# KiCad board untitled.kicad_pcb (continued)
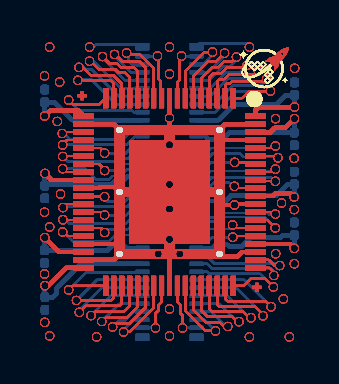
[diagram p0: board, top side]
## Routing (per net, layer and track width the routed paths; a pad name or vN(x,y) marks a point on that pad's centre or on a via; arc(x,y) is an arc through that point) (continued)
/PIN 11: length 225.4
  Top w0.1: 0.91,7.97 1.12,8.18 ; 0.91,7.97 v1(0.91,7.93) ; 0.91,7.97 1.12,8.18 ; 0.91,7.97 v1(0.91,7.93) ; 0.91,7.97 v1(0.91,7.93) ; 0.91,7.97 1.12,8.18 ; 0.91,7.97 v1(0.91,7.93) ; 0.91,7.97 v1(0.91,7.93) ; 0.91,7.97 1.12,8.18 ; 0.91,7.97 1.12,8.18 ; 0.91,7.97 v1(0.91,7.93) ; 0.91,7.97 1.12,8.18 ; 0.91,7.97 1.12,8.18 ; 0.91,7.97 1.12,8.18 ; 0.91,7.97 v1(0.91,7.93) ; 0.91,7.97 1.12,8.18 ; 0.91,7.97 v1(0.91,7.93) ; 0.91,7.97 1.12,8.18 ; 0.91,7.97 1.12,8.18 ; 0.91,7.97 v1(0.91,7.93) ; 0.91,7.97 v1(0.91,7.93) ; 0.91,7.97 v1(0.91,7.93) ; 0.91,7.97 v1(0.91,7.93) ; 0.91,7.97 1.12,8.18 ; 0.91,7.97 1.12,8.18 ; 0.91,7.97 1.12,8.18 ; 0.91,7.97 1.12,8.18 ; 0.91,7.97 1.12,8.18 ; 0.91,7.97 v1(0.91,7.93) ; 0.91,7.97 1.12,8.18 ; 0.91,7.97 1.12,8.18 ; 0.91,7.97 1.12,8.18 ; 0.91,7.97 v1(0.91,7.93) ; 0.91,7.97 v1(0.91,7.93) ; 0.91,7.97 1.12,8.18 ; 0.91,7.97 v1(0.91,7.93) ; 0.91,7.97 v1(0.91,7.93) ; 0.91,7.97 v1(0.91,7.93) ; 0.91,7.97 v1(0.91,7.93) ; 0.91,7.97 v1(0.91,7.93) ; 0.91,7.97 1.12,8.18 ; 0.91,7.97 v1(0.91,7.93) ; 0.91,7.97 1.12,8.18 ; 0.91,7.97 1.12,8.18 ; 0.91,7.97 1.12,8.18 ; 0.91,7.97 1.12,8.18 ; 0.91,7.97 v1(0.91,7.93) ; 0.91,7.97 v1(0.91,7.93) ; 0.91,7.97 1.12,8.18 ; 0.91,7.97 1.12,8.18 ; 0.91,7.97 v1(0.91,7.93) ; 0.91,7.97 v1(0.91,7.93) ; 0.91,7.97 1.12,8.18 ; 0.91,7.97 v1(0.91,7.93) ; 0.91,7.97 1.12,8.18 ; 0.91,7.97 1.12,8.18 ; 0.91,7.97 v1(0.91,7.93) ; 0.91,7.97 1.12,8.18 ; 0.91,7.97 1.12,8.18 ; 0.91,7.97 1.12,8.18 ; 0.91,7.97 1.12,8.18 ; 0.91,7.97 v1(0.91,7.93) ; 0.91,7.97 v1(0.91,7.93) ; 0.91,7.97 v1(0.91,7.93) ; 0.91,7.97 1.12,8.18 ; 0.91,7.97 1.12,8.18 ; 0.91,7.97 v1(0.91,7.93) ; 0.91,7.97 v1(0.91,7.93) ; 0.91,7.97 v1(0.91,7.93) ; 0.91,7.97 v1(0.91,7.93) ; 0.91,7.97 1.12,8.18 ; 0.91,7.97 1.12,8.18 ; 0.91,7.97 1.12,8.18 ; 0.91,7.97 v1(0.91,7.93) ; 0.91,7.97 1.12,8.18 ; 0.91,7.97 v1(0.91,7.93) ; 0.91,7.97 v1(0.91,7.93) ; 0.91,7.97 1.12,8.18 ; 0.91,7.97 v1(0.91,7.93) ; 0.91,7.97 v1(0.91,7.93) ; 0.91,7.97 1.12,8.18 ; 0.91,7.97 v1(0.91,7.93) ; 0.91,7.97 v1(0.91,7.93) ; 0.91,7.97 v1(0.91,7.93) ; 1.12,8.18 J158.21 ; 1.12,8.18 J158.21 ; 1.12,8.18 J158.21 ; 1.12,8.18 J158.21 ; 1.12,8.18 J158.21 ; 1.12,8.18 J158.21 ; 1.12,8.18 J158.21 ; 1.12,8.18 J158.21 ; 1.12,8.18 J158.21 ; 1.12,8.18 J158.21 ; 1.12,8.18 J158.21 ; 1.12,8.18 J158.21 ; 1.12,8.18 J158.21 ; 1.12,8.18 J158.21 ; 1.12,8.18 J158.21 ; 1.12,8.18 J158.21 ; 1.12,8.18 J158.21 ; 1.12,8.18 J158.21 ; 1.12,8.18 J158.21 ; 1.12,8.18 J158.21 ; 1.12,8.18 J158.21 ; 1.12,8.18 J158.21 ; 1.12,8.18 J158.21 ; 1.12,8.18 J158.21 ; 1.12,8.18 J158.21 ; 1.12,8.18 J158.21 ; 1.12,8.18 J158.21 ; 1.12,8.18 J158.21 ; 1.12,8.18 J158.21 ; 1.12,8.18 J158.21 ; 1.12,8.18 J158.21 ; 1.12,8.18 J158.21 ; 1.12,8.18 J158.21 ; 1.12,8.18 J158.21 ; 1.12,8.18 J158.21 ; 1.12,8.18 J158.21 ; 1.12,8.18 J158.21 ; 1.12,8.18 J158.21 ; 1.12,8.18 J158.21 ; 1.12,8.18 J158.21 ; 1.12,8.18 J158.21 ; 1.12,8.18 J158.21
  Bottom w0.1: 0.91,7.95 0.92,7.96 ; 0.91,7.95 v1(0.91,7.93) ; 0.91,7.95 0.92,7.96 ; 0.91,7.95 0.92,7.96 ; 0.91,7.95 v1(0.91,7.93) ; 0.91,7.95 v1(0.91,7.93) ; 0.91,7.95 v1(0.91,7.93) ; 0.91,7.95 0.92,7.96 ; 0.91,7.95 0.92,7.96 ; 0.91,7.95 0.92,7.96 ; 0.91,7.95 0.92,7.96 ; 0.91,7.95 v1(0.91,7.93) ; 0.91,7.95 v1(0.91,7.93) ; 0.91,7.95 0.92,7.96 ; 0.91,7.95 v1(0.91,7.93) ; 0.91,7.95 v1(0.91,7.93) ; 0.91,7.95 v1(0.91,7.93) ; 0.91,7.95 0.92,7.96 ; 0.91,7.95 v1(0.91,7.93) ; 0.91,7.95 v1(0.91,7.93) ; 0.91,7.95 0.92,7.96 ; 0.91,7.95 0.92,7.96 ; 0.91,7.95 0.92,7.96 ; 0.91,7.95 v1(0.91,7.93) ; 0.91,7.95 v1(0.91,7.93) ; 0.91,7.95 v1(0.91,7.93) ; 0.91,7.95 0.92,7.96 ; 0.91,7.95 v1(0.91,7.93) ; 0.91,7.95 0.92,7.96 ; 0.91,7.95 v1(0.91,7.93) ; 0.91,7.95 0.92,7.96 ; 0.91,7.95 v1(0.91,7.93) ; 0.91,7.95 0.92,7.96 ; 0.91,7.95 v1(0.91,7.93) ; 0.91,7.95 0.92,7.96 ; 0.91,7.95 0.92,7.96 ; 0.91,7.95 0.92,7.96 ; 0.91,7.95 v1(0.91,7.93) ; 0.91,7.95 v1(0.91,7.93) ; 0.91,7.95 0.92,7.96 ; 0.91,7.95 0.92,7.96 ; 0.91,7.95 0.92,7.96 ; 0.91,7.95 0.92,7.96 ; 0.91,7.95 v1(0.91,7.93) ; 0.91,7.95 v1(0.91,7.93) ; 0.91,7.95 0.92,7.96 ; 0.91,7.95 0.92,7.96 ; 0.91,7.95 v1(0.91,7.93) ; 0.91,7.95 v1(0.91,7.93) ; 0.91,7.95 v1(0.91,7.93) ; 0.91,7.95 v1(0.91,7.93) ; 0.91,7.95 0.92,7.96 ; 0.91,7.95 v1(0.91,7.93) ; 0.91,7.95 v1(0.91,7.93) ; 0.91,7.95 v1(0.91,7.93) ; 0.91,7.95 0.92,7.96 ; 0.91,7.95 0.92,7.96 ; 0.91,7.95 v1(0.91,7.93) ; 0.91,7.95 v1(0.91,7.93) ; 0.91,7.95 v1(0.91,7.93) ; 0.91,7.95 v1(0.91,7.93) ; 0.91,7.95 v1(0.91,7.93) ; 0.91,7.95 v1(0.91,7.93) ; 0.91,7.95 v1(0.91,7.93) ; 0.91,7.95 v1(0.91,7.93) ; 0.91,7.95 0.92,7.96 ; 0.91,7.95 v1(0.91,7.93) ; 0.91,7.95 v1(0.91,7.93) ; 0.91,7.95 0.92,7.96 ; 0.91,7.95 0.92,7.96 ; 0.91,7.95 0.92,7.96 ; 0.91,7.95 0.92,7.96 ; 0.91,7.95 v1(0.91,7.93) ; 0.91,7.95 0.92,7.96 ; 0.91,7.95 0.92,7.96 ; 0.91,7.95 0.92,7.96 ; 0.91,7.95 v1(0.91,7.93) ; 0.91,7.95 0.92,7.96 ; 0.91,7.95 0.92,7.96 ; 0.91,7.95 0.92,7.96 ; 0.91,7.95 v1(0.91,7.93) ; 0.91,7.95 0.92,7.96 ; 0.91,7.95 0.92,7.96 ; 0.91,7.95 0.92,7.96 ; 0.92,7.96 4.14,7.96 ; 0.92,7.96 4.14,7.96 ; 0.92,7.96 4.14,7.96 ; 0.92,7.96 4.14,7.96 ; 0.92,7.96 4.14,7.96 ; 0.92,7.96 4.14,7.96 ; 0.92,7.96 4.14,7.96 ; 0.92,7.96 4.14,7.96 ; 0.92,7.96 4.14,7.96 ; 0.92,7.96 4.14,7.96 ; 0.92,7.96 4.14,7.96 ; 0.92,7.96 4.14,7.96 ; 0.92,7.96 4.14,7.96 ; 0.92,7.96 4.14,7.96 ; 0.92,7.96 4.14,7.96 ; 0.92,7.96 4.14,7.96 ; 0.92,7.96 4.14,7.96 ; 0.92,7.96 4.14,7.96 ; 0.92,7.96 4.14,7.96 ; 0.92,7.96 4.14,7.96 ; 0.92,7.96 4.14,7.96 ; 0.92,7.96 4.14,7.96 ; 0.92,7.96 4.14,7.96 ; 0.92,7.96 4.14,7.96 ; 0.92,7.96 4.14,7.96 ; 0.92,7.96 4.14,7.96 ; 0.92,7.96 4.14,7.96 ; 0.92,7.96 4.14,7.96 ; 0.92,7.96 4.14,7.96 ; 0.92,7.96 4.14,7.96 ; 0.92,7.96 4.14,7.96 ; 0.92,7.96 4.14,7.96 ; 0.92,7.96 4.14,7.96 ; 0.92,7.96 4.14,7.96 ; 0.92,7.96 4.14,7.96 ; 0.92,7.96 4.14,7.96 ; 0.92,7.96 4.14,7.96 ; 0.92,7.96 4.14,7.96 ; 0.92,7.96 4.14,7.96 ; 0.92,7.96 4.14,7.96 ; 0.92,7.96 4.14,7.96 ; 0.92,7.96 4.14,7.96 ; 4.14,7.96 4.56,8.38 ; 4.14,7.96 4.56,8.38 ; 4.14,7.96 4.56,8.38 ; 4.14,7.96 4.56,8.38 ; 4.14,7.96 4.56,8.38 ; 4.14,7.96 4.56,8.38 ; 4.14,7.96 4.56,8.38 ; 4.14,7.96 4.56,8.38 ; 4.14,7.96 4.56,8.38 ; 4.14,7.96 4.56,8.38 ; 4.14,7.96 4.56,8.38 ; 4.14,7.96 4.56,8.38 ; 4.14,7.96 4.56,8.38 ; 4.14,7.96 4.56,8.38 ; 4.14,7.96 4.56,8.38 ; 4.14,7.96 4.56,8.38 ; 4.14,7.96 4.56,8.38 ; 4.14,7.96 4.56,8.38 ; 4.14,7.96 4.56,8.38 ; 4.14,7.96 4.56,8.38 ; 4.14,7.96 4.56,8.38 ; 4.14,7.96 4.56,8.38 ; 4.14,7.96 4.56,8.38 ; 4.14,7.96 4.56,8.38 ; 4.14,7.96 4.56,8.38 ; 4.14,7.96 4.56,8.38 ; 4.14,7.96 4.56,8.38 ; 4.14,7.96 4.56,8.38 ; 4.14,7.96 4.56,8.38 ; 4.14,7.96 4.56,8.38 ; 4.14,7.96 4.56,8.38 ; 4.14,7.96 4.56,8.38 ; 4.14,7.96 4.56,8.38 ; 4.14,7.96 4.56,8.38 ; 4.14,7.96 4.56,8.38 ; 4.14,7.96 4.56,8.38 ; 4.14,7.96 4.56,8.38 ; 4.14,7.96 4.56,8.38 ; 4.14,7.96 4.56,8.38 ; 4.14,7.96 4.56,8.38 ; 4.14,7.96 4.56,8.38 ; 4.14,7.96 4.56,8.38 ; 4.56,8.38 J173.60 ; 4.56,8.38 J173.60 ; 4.56,8.38 J173.60 ; 4.56,8.38 J173.60 ; 4.56,8.38 J173.60 ; 4.56,8.38 J173.60 ; 4.56,8.38 J173.60 ; 4.56,8.38 J173.60 ; 4.56,8.38 J173.60 ; 4.56,8.38 J173.60 ; 4.56,8.38 J173.60 ; 4.56,8.38 J173.60 ; 4.56,8.38 J173.60 ; 4.56,8.38 J173.60 ; 4.56,8.38 J173.60 ; 4.56,8.38 J173.60 ; 4.56,8.38 J173.60 ; 4.56,8.38 J173.60 ; 4.56,8.38 J173.60 ; 4.56,8.38 J173.60 ; 4.56,8.38 J173.60 ; 4.56,8.38 J173.60 ; 4.56,8.38 J173.60 ; 4.56,8.38 J173.60 ; 4.56,8.38 J173.60 ; 4.56,8.38 J173.60 ; 4.56,8.38 J173.60 ; 4.56,8.38 J173.60 ; 4.56,8.38 J173.60 ; 4.56,8.38 J173.60 ; 4.56,8.38 J173.60 ; 4.56,8.38 J173.60 ; 4.56,8.38 J173.60 ; 4.56,8.38 J173.60 ; 4.56,8.38 J173.60 ; 4.56,8.38 J173.60 ; 4.56,8.38 J173.60 ; 4.56,8.38 J173.60 ; 4.56,8.38 J173.60 ; 4.56,8.38 J173.60 ; 4.56,8.38 J173.60 ; 4.56,8.38 J173.60
/PIN 12: length 137.4
  Top w0.1: 2.8,7.78 J158.22 ; 2.8,7.78 3.01,7.57 ; 2.8,7.78 J158.22 ; 2.8,7.78 J158.22 ; 2.8,7.78 3.01,7.57 ; 2.8,7.78 3.01,7.57 ; 2.8,7.78 J158.22 ; 2.8,7.78 3.01,7.57 ; 2.8,7.78 3.01,7.57 ; 2.8,7.78 J158.22 ; 2.8,7.78 3.01,7.57 ; 2.8,7.78 J158.22 ; 2.8,7.78 3.01,7.57 ; 2.8,7.78 3.01,7.57 ; 2.8,7.78 3.01,7.57 ; 2.8,7.78 3.01,7.57 ; 2.8,7.78 3.01,7.57 ; 2.8,7.78 3.01,7.57 ; 2.8,7.78 3.01,7.57 ; 2.8,7.78 J158.22 ; 2.8,7.78 3.01,7.57 ; 2.8,7.78 3.01,7.57 ; 2.8,7.78 J158.22 ; 2.8,7.78 3.01,7.57 ; 2.8,7.78 J158.22 ; 2.8,7.78 J158.22 ; 2.8,7.78 J158.22 ; 2.8,7.78 J158.22 ; 2.8,7.78 3.01,7.57 ; 2.8,7.78 3.01,7.57 ; 2.8,7.78 3.01,7.57 ; 2.8,7.78 J158.22 ; 2.8,7.78 3.01,7.57 ; 2.8,7.78 J158.22 ; 2.8,7.78 J158.22 ; 2.8,7.78 3.01,7.57 ; 2.8,7.78 3.01,7.57 ; 2.8,7.78 J158.22 ; 2.8,7.78 3.01,7.57 ; 2.8,7.78 J158.22 ; 2.8,7.78 3.01,7.57 ; 2.8,7.78 3.01,7.57 ; 2.8,7.78 J158.22 ; 2.8,7.78 J158.22 ; 2.8,7.78 J158.22 ; 2.8,7.78 J158.22 ; 2.8,7.78 J158.22 ; 2.8,7.78 3.01,7.57 ; 2.8,7.78 3.01,7.57 ; 2.8,7.78 J158.22 ; 2.8,7.78 3.01,7.57 ; 2.8,7.78 3.01,7.57 ; 2.8,7.78 J158.22 ; 2.8,7.78 J158.22 ; 2.8,7.78 3.01,7.57 ; 2.8,7.78 3.01,7.57 ; 2.8,7.78 3.01,7.57 ; 2.8,7.78 J158.22 ; 2.8,7.78 J158.22 ; 2.8,7.78 3.01,7.57 ; 2.8,7.78 J158.22 ; 2.8,7.78 J158.22 ; 2.8,7.78 3.01,7.57 ; 2.8,7.78 J158.22 ; 2.8,7.78 J158.22 ; 2.8,7.78 3.01,7.57 ; 2.8,7.78 J158.22 ; 2.8,7.78 J158.22 ; 2.8,7.78 J158.22 ; 2.8,7.78 J158.22 ; 2.8,7.78 3.01,7.57 ; 2.8,7.78 3.01,7.57 ; 2.8,7.78 3.01,7.57 ; 2.8,7.78 J158.22 ; 2.8,7.78 3.01,7.57 ; 2.8,7.78 J158.22 ; 2.8,7.78 J158.22 ; 2.8,7.78 3.01,7.57 ; 2.8,7.78 J158.22 ; 2.8,7.78 J158.22 ; 2.8,7.78 J158.22 ; 2.8,7.78 3.01,7.57 ; 2.8,7.78 3.01,7.57 ; 2.8,7.78 J158.22 ; v1(3.01,7.52) 3.01,7.57 ; v1(3.01,7.52) 3.01,7.57 ; v1(3.01,7.52) 3.01,7.57 ; v1(3.01,7.52) 3.01,7.57 ; v1(3.01,7.52) 3.01,7.57 ; v1(3.01,7.52) 3.01,7.57 ; v1(3.01,7.52) 3.01,7.57 ; v1(3.01,7.52) 3.01,7.57 ; v1(3.01,7.52) 3.01,7.57 ; v1(3.01,7.52) 3.01,7.57 ; v1(3.01,7.52) 3.01,7.57 ; v1(3.01,7.52) 3.01,7.57 ; v1(3.01,7.52) 3.01,7.57 ; v1(3.01,7.52) 3.01,7.57 ; v1(3.01,7.52) 3.01,7.57 ; v1(3.01,7.52) 3.01,7.57 ; v1(3.01,7.52) 3.01,7.57 ; v1(3.01,7.52) 3.01,7.57 ; v1(3.01,7.52) 3.01,7.57 ; v1(3.01,7.52) 3.01,7.57 ; v1(3.01,7.52) 3.01,7.57 ; v1(3.01,7.52) 3.01,7.57 ; v1(3.01,7.52) 3.01,7.57 ; v1(3.01,7.52) 3.01,7.57 ; v1(3.01,7.52) 3.01,7.57 ; v1(3.01,7.52) 3.01,7.57 ; v1(3.01,7.52) 3.01,7.57 ; v1(3.01,7.52) 3.01,7.57 ; v1(3.01,7.52) 3.01,7.57 ; v1(3.01,7.52) 3.01,7.57 ; v1(3.01,7.52) 3.01,7.57 ; v1(3.01,7.52) 3.01,7.57 ; v1(3.01,7.52) 3.01,7.57 ; v1(3.01,7.52) 3.01,7.57 ; v1(3.01,7.52) 3.01,7.57 ; v1(3.01,7.52) 3.01,7.57 ; v1(3.01,7.52) 3.01,7.57 ; v1(3.01,7.52) 3.01,7.57 ; v1(3.01,7.52) 3.01,7.57 ; v1(3.01,7.52) 3.01,7.57 ; v1(3.01,7.52) 3.01,7.57 ; v1(3.01,7.52) 3.01,7.57
  Bottom w0.1: 4.07,7.52 4.53,7.98 ; 4.07,7.52 3.01,7.52 ; 4.07,7.52 4.53,7.98 ; 4.07,7.52 3.01,7.52 ; 4.07,7.52 4.53,7.98 ; 4.07,7.52 4.53,7.98 ; 4.07,7.52 4.53,7.98 ; 4.07,7.52 4.53,7.98 ; 4.07,7.52 4.53,7.98 ; 4.07,7.52 3.01,7.52 ; 4.07,7.52 4.53,7.98 ; 4.07,7.52 3.01,7.52 ; 4.07,7.52 3.01,7.52 ; 4.07,7.52 3.01,7.52 ; 4.07,7.52 4.53,7.98 ; 4.07,7.52 3.01,7.52 ; 4.07,7.52 3.01,7.52 ; 4.07,7.52 4.53,7.98 ; 4.07,7.52 3.01,7.52 ; 4.07,7.52 4.53,7.98 ; 4.07,7.52 4.53,7.98 ; 4.07,7.52 3.01,7.52 ; 4.07,7.52 3.01,7.52 ; 4.07,7.52 3.01,7.52 ; 4.07,7.52 4.53,7.98 ; 4.07,7.52 3.01,7.52 ; 4.07,7.52 4.53,7.98 ; 4.07,7.52 4.53,7.98 ; 4.07,7.52 3.01,7.52 ; 4.07,7.52 4.53,7.98 ; 4.07,7.52 4.53,7.98 ; 4.07,7.52 3.01,7.52 ; 4.07,7.52 3.01,7.52 ; 4.07,7.52 3.01,7.52 ; 4.07,7.52 4.53,7.98 ; 4.07,7.52 3.01,7.52 ; 4.07,7.52 3.01,7.52 ; 4.07,7.52 4.53,7.98 ; 4.07,7.52 3.01,7.52 ; 4.07,7.52 3.01,7.52 ; 4.07,7.52 4.53,7.98 ; 4.07,7.52 3.01,7.52 ; 4.07,7.52 4.53,7.98 ; 4.07,7.52 3.01,7.52 ; 4.07,7.52 3.01,7.52 ; 4.07,7.52 4.53,7.98 ; 4.07,7.52 4.53,7.98 ; 4.07,7.52 4.53,7.98 ; 4.07,7.52 3.01,7.52 ; 4.07,7.52 3.01,7.52 ; 4.07,7.52 4.53,7.98 ; 4.07,7.52 4.53,7.98 ; 4.07,7.52 3.01,7.52 ; 4.07,7.52 4.53,7.98 ; 4.07,7.52 4.53,7.98 ; 4.07,7.52 4.53,7.98 ; 4.07,7.52 3.01,7.52 ; 4.07,7.52 4.53,7.98 ; 4.07,7.52 3.01,7.52 ; 4.07,7.52 3.01,7.52 ; 4.07,7.52 4.53,7.98 ; 4.07,7.52 3.01,7.52 ; 4.07,7.52 4.53,7.98 ; 4.07,7.52 3.01,7.52 ; 4.07,7.52 4.53,7.98 ; 4.07,7.52 3.01,7.52 ; 4.07,7.52 4.53,7.98 ; 4.07,7.52 3.01,7.52 ; 4.07,7.52 3.01,7.52 ; 4.07,7.52 4.53,7.98 ; 4.07,7.52 3.01,7.52 ; 4.07,7.52 4.53,7.98 ; 4.07,7.52 3.01,7.52 ; 4.07,7.52 3.01,7.52 ; 4.07,7.52 4.53,7.98 ; 4.07,7.52 4.53,7.98 ; 4.07,7.52 4.53,7.98 ; 4.07,7.52 4.53,7.98 ; 4.07,7.52 3.01,7.52 ; 4.07,7.52 4.53,7.98 ; 4.07,7.52 4.53,7.98 ; 4.07,7.52 3.01,7.52 ; 4.07,7.52 3.01,7.52 ; 4.07,7.52 3.01,7.52 ; 4.53,7.98 J173.59 ; 4.53,7.98 J173.59 ; 4.53,7.98 J173.59 ; 4.53,7.98 J173.59 ; 4.53,7.98 J173.59 ; 4.53,7.98 J173.59 ; 4.53,7.98 J173.59 ; 4.53,7.98 J173.59 ; 4.53,7.98 J173.59 ; 4.53,7.98 J173.59 ; 4.53,7.98 J173.59 ; 4.53,7.98 J173.59 ; 4.53,7.98 J173.59 ; 4.53,7.98 J173.59 ; 4.53,7.98 J173.59 ; 4.53,7.98 J173.59 ; 4.53,7.98 J173.59 ; 4.53,7.98 J173.59 ; 4.53,7.98 J173.59 ; 4.53,7.98 J173.59 ; 4.53,7.98 J173.59 ; 4.53,7.98 J173.59 ; 4.53,7.98 J173.59 ; 4.53,7.98 J173.59 ; 4.53,7.98 J173.59 ; 4.53,7.98 J173.59 ; 4.53,7.98 J173.59 ; 4.53,7.98 J173.59 ; 4.53,7.98 J173.59 ; 4.53,7.98 J173.59 ; 4.53,7.98 J173.59 ; 4.53,7.98 J173.59 ; 4.53,7.98 J173.59 ; 4.53,7.98 J173.59 ; 4.53,7.98 J173.59 ; 4.53,7.98 J173.59 ; 4.53,7.98 J173.59 ; 4.53,7.98 J173.59 ; 4.53,7.98 J173.59 ; 4.53,7.98 J173.59 ; 4.53,7.98 J173.59 ; 4.53,7.98 J173.59 ; 3.01,7.52 v1(3.01,7.52) ; 3.01,7.52 v1(3.01,7.52) ; 3.01,7.52 v1(3.01,7.52) ; 3.01,7.52 v1(3.01,7.52) ; 3.01,7.52 v1(3.01,7.52) ; 3.01,7.52 v1(3.01,7.52) ; 3.01,7.52 v1(3.01,7.52) ; 3.01,7.52 v1(3.01,7.52) ; 3.01,7.52 v1(3.01,7.52) ; 3.01,7.52 v1(3.01,7.52) ; 3.01,7.52 v1(3.01,7.52) ; 3.01,7.52 v1(3.01,7.52) ; 3.01,7.52 v1(3.01,7.52) ; 3.01,7.52 v1(3.01,7.52) ; 3.01,7.52 v1(3.01,7.52) ; 3.01,7.52 v1(3.01,7.52) ; 3.01,7.52 v1(3.01,7.52) ; 3.01,7.52 v1(3.01,7.52) ; 3.01,7.52 v1(3.01,7.52) ; 3.01,7.52 v1(3.01,7.52) ; 3.01,7.52 v1(3.01,7.52) ; 3.01,7.52 v1(3.01,7.52) ; 3.01,7.52 v1(3.01,7.52) ; 3.01,7.52 v1(3.01,7.52) ; 3.01,7.52 v1(3.01,7.52) ; 3.01,7.52 v1(3.01,7.52) ; 3.01,7.52 v1(3.01,7.52) ; 3.01,7.52 v1(3.01,7.52) ; 3.01,7.52 v1(3.01,7.52) ; 3.01,7.52 v1(3.01,7.52) ; 3.01,7.52 v1(3.01,7.52) ; 3.01,7.52 v1(3.01,7.52) ; 3.01,7.52 v1(3.01,7.52) ; 3.01,7.52 v1(3.01,7.52) ; 3.01,7.52 v1(3.01,7.52) ; 3.01,7.52 v1(3.01,7.52) ; 3.01,7.52 v1(3.01,7.52) ; 3.01,7.52 v1(3.01,7.52) ; 3.01,7.52 v1(3.01,7.52) ; 3.01,7.52 v1(3.01,7.52) ; 3.01,7.52 v1(3.01,7.52) ; 3.01,7.52 v1(3.01,7.52)
/PIN 13: length 225.5
  Top w0.1: v1(0.91,7.36) 0.91,7.36 ; v1(0.91,7.36) 0.91,7.36 ; v1(0.91,7.36) 0.91,7.36 ; v1(0.91,7.36) 0.91,7.36 ; v1(0.91,7.36) 0.91,7.36 ; v1(0.91,7.36) 0.91,7.36 ; v1(0.91,7.36) 0.91,7.36 ; v1(0.91,7.36) 0.91,7.36 ; v1(0.91,7.36) 0.91,7.36 ; v1(0.91,7.36) 0.91,7.36 ; v1(0.91,7.36) 0.91,7.36 ; v1(0.91,7.36) 0.91,7.36 ; v1(0.91,7.36) 0.91,7.36 ; v1(0.91,7.36) 0.91,7.36 ; v1(0.91,7.36) 0.91,7.36 ; v1(0.91,7.36) 0.91,7.36 ; v1(0.91,7.36) 0.91,7.36 ; v1(0.91,7.36) 0.91,7.36 ; v1(0.91,7.36) 0.91,7.36 ; v1(0.91,7.36) 0.91,7.36 ; v1(0.91,7.36) 0.91,7.36 ; v1(0.91,7.36) 0.91,7.36 ; v1(0.91,7.36) 0.91,7.36 ; v1(0.91,7.36) 0.91,7.36 ; v1(0.91,7.36) 0.91,7.36 ; v1(0.91,7.36) 0.91,7.36 ; v1(0.91,7.36) 0.91,7.36 ; v1(0.91,7.36) 0.91,7.36 ; v1(0.91,7.36) 0.91,7.36 ; v1(0.91,7.36) 0.91,7.36 ; v1(0.91,7.36) 0.91,7.36 ; v1(0.91,7.36) 0.91,7.36 ; v1(0.91,7.36) 0.91,7.36 ; v1(0.91,7.36) 0.91,7.36 ; v1(0.91,7.36) 0.91,7.36 ; v1(0.91,7.36) 0.91,7.36 ; v1(0.91,7.36) 0.91,7.36 ; v1(0.91,7.36) 0.91,7.36 ; v1(0.91,7.36) 0.91,7.36 ; v1(0.91,7.36) 0.91,7.36 ; v1(0.91,7.36) 0.91,7.36 ; v1(0.91,7.36) 0.91,7.36 ; 0.91,7.36 0.93,7.38 ; 0.91,7.36 0.93,7.38 ; 0.91,7.36 0.93,7.38 ; 0.91,7.36 0.93,7.38 ; 0.91,7.36 0.93,7.38 ; 0.91,7.36 0.93,7.38 ; 0.91,7.36 0.93,7.38 ; 0.91,7.36 0.93,7.38 ; 0.91,7.36 0.93,7.38 ; 0.91,7.36 0.93,7.38 ; 0.91,7.36 0.93,7.38 ; 0.91,7.36 0.93,7.38 ; 0.91,7.36 0.93,7.38 ; 0.91,7.36 0.93,7.38 ; 0.91,7.36 0.93,7.38 ; 0.91,7.36 0.93,7.38 ; 0.91,7.36 0.93,7.38 ; 0.91,7.36 0.93,7.38 ; 0.91,7.36 0.93,7.38 ; 0.91,7.36 0.93,7.38 ; 0.91,7.36 0.93,7.38 ; 0.91,7.36 0.93,7.38 ; 0.91,7.36 0.93,7.38 ; 0.91,7.36 0.93,7.38 ; 0.91,7.36 0.93,7.38 ; 0.91,7.36 0.93,7.38 ; 0.91,7.36 0.93,7.38 ; 0.91,7.36 0.93,7.38 ; 0.91,7.36 0.93,7.38 ; 0.91,7.36 0.93,7.38 ; 0.91,7.36 0.93,7.38 ; 0.91,7.36 0.93,7.38 ; 0.91,7.36 0.93,7.38 ; 0.91,7.36 0.93,7.38 ; 0.91,7.36 0.93,7.38 ; 0.91,7.36 0.93,7.38 ; 0.91,7.36 0.93,7.38 ; 0.91,7.36 0.93,7.38 ; 0.91,7.36 0.93,7.38 ; 0.91,7.36 0.93,7.38 ; 0.91,7.36 0.93,7.38 ; 0.91,7.36 0.93,7.38 ; 0.93,7.38 J158.23 ; 0.93,7.38 J158.23 ; 0.93,7.38 J158.23 ; 0.93,7.38 J158.23 ; 0.93,7.38 J158.23 ; 0.93,7.38 J158.23 ; 0.93,7.38 J158.23 ; 0.93,7.38 J158.23 ; 0.93,7.38 J158.23 ; 0.93,7.38 J158.23 ; 0.93,7.38 J158.23 ; 0.93,7.38 J158.23 ; 0.93,7.38 J158.23 ; 0.93,7.38 J158.23 ; 0.93,7.38 J158.23 ; 0.93,7.38 J158.23 ; 0.93,7.38 J158.23 ; 0.93,7.38 J158.23 ; 0.93,7.38 J158.23 ; 0.93,7.38 J158.23 ; 0.93,7.38 J158.23 ; 0.93,7.38 J158.23 ; 0.93,7.38 J158.23 ; 0.93,7.38 J158.23 ; 0.93,7.38 J158.23 ; 0.93,7.38 J158.23 ; 0.93,7.38 J158.23 ; 0.93,7.38 J158.23 ; 0.93,7.38 J158.23 ; 0.93,7.38 J158.23 ; 0.93,7.38 J158.23 ; 0.93,7.38 J158.23 ; 0.93,7.38 J158.23 ; 0.93,7.38 J158.23 ; 0.93,7.38 J158.23 ; 0.93,7.38 J158.23 ; 0.93,7.38 J158.23 ; 0.93,7.38 J158.23 ; 0.93,7.38 J158.23 ; 0.93,7.38 J158.23 ; 0.93,7.38 J158.23 ; 0.93,7.38 J158.23
  Bottom w0.1: 4.18,7.26 4.5,7.58 ; 4.18,7.26 4.5,7.58 ; 4.18,7.26 3.89,7.26 ; 4.18,7.26 3.89,7.26 ; 4.18,7.26 3.89,7.26 ; 4.18,7.26 3.89,7.26 ; 4.18,7.26 3.89,7.26 ; 4.18,7.26 3.89,7.26 ; 4.18,7.26 4.5,7.58 ; 4.18,7.26 3.89,7.26 ; 4.18,7.26 3.89,7.26 ; 4.18,7.26 3.89,7.26 ; 4.18,7.26 3.89,7.26 ; 4.18,7.26 4.5,7.58 ; 4.18,7.26 4.5,7.58 ; 4.18,7.26 3.89,7.26 ; 4.18,7.26 4.5,7.58 ; 4.18,7.26 4.5,7.58 ; 4.18,7.26 4.5,7.58 ; 4.18,7.26 4.5,7.58 ; 4.18,7.26 4.5,7.58 ; 4.18,7.26 3.89,7.26 ; 4.18,7.26 3.89,7.26 ; 4.18,7.26 3.89,7.26 ; 4.18,7.26 3.89,7.26 ; 4.18,7.26 4.5,7.58 ; 4.18,7.26 4.5,7.58 ; 4.18,7.26 3.89,7.26 ; 4.18,7.26 4.5,7.58 ; 4.18,7.26 3.89,7.26 ; 4.18,7.26 3.89,7.26 ; 4.18,7.26 4.5,7.58 ; 4.18,7.26 4.5,7.58 ; 4.18,7.26 3.89,7.26 ; 4.18,7.26 4.5,7.58 ; 4.18,7.26 4.5,7.58 ; 4.18,7.26 4.5,7.58 ; 4.18,7.26 4.5,7.58 ; 4.18,7.26 4.5,7.58 ; 4.18,7.26 4.5,7.58 ; 4.18,7.26 4.5,7.58 ; 4.18,7.26 4.5,7.58 ; 4.18,7.26 4.5,7.58 ; 4.18,7.26 3.89,7.26 ; 4.18,7.26 4.5,7.58 ; 4.18,7.26 4.5,7.58 ; 4.18,7.26 3.89,7.26 ; 4.18,7.26 4.5,7.58 ; 4.18,7.26 3.89,7.26 ; 4.18,7.26 3.89,7.26 ; 4.18,7.26 3.89,7.26 ; 4.18,7.26 4.5,7.58 ; 4.18,7.26 3.89,7.26 ; 4.18,7.26 4.5,7.58 ; 4.18,7.26 4.5,7.58 ; 4.18,7.26 4.5,7.58 ; 4.18,7.26 3.89,7.26 ; 4.18,7.26 3.89,7.26 ; 4.18,7.26 3.89,7.26 ; 4.18,7.26 3.89,7.26 ; 4.18,7.26 4.5,7.58 ; 4.18,7.26 4.5,7.58 ; 4.18,7.26 3.89,7.26 ; 4.18,7.26 4.5,7.58 ; 4.18,7.26 3.89,7.26 ; 4.18,7.26 4.5,7.58 ; 4.18,7.26 3.89,7.26 ; 4.18,7.26 4.5,7.58 ; 4.18,7.26 3.89,7.26 ; 4.18,7.26 4.5,7.58 ; 4.18,7.26 3.89,7.26 ; 4.18,7.26 3.89,7.26 ; 4.18,7.26 4.5,7.58 ; 4.18,7.26 3.89,7.26 ; 4.18,7.26 3.89,7.26 ; 4.18,7.26 4.5,7.58 ; 4.18,7.26 4.5,7.58 ; 4.18,7.26 3.89,7.26 ; 4.18,7.26 3.89,7.26 ; 4.18,7.26 4.5,7.58 ; 4.18,7.26 3.89,7.26 ; 4.18,7.26 3.89,7.26 ; 4.18,7.26 3.89,7.26 ; 4.18,7.26 4.5,7.58 ; 4.5,7.58 J173.58 ; 4.5,7.58 J173.58 ; 4.5,7.58 J173.58 ; 4.5,7.58 J173.58 ; 4.5,7.58 J173.58 ; 4.5,7.58 J173.58 ; 4.5,7.58 J173.58 ; 4.5,7.58 J173.58 ; 4.5,7.58 J173.58 ; 4.5,7.58 J173.58 ; 4.5,7.58 J173.58 ; 4.5,7.58 J173.58 ; 4.5,7.58 J173.58 ; 4.5,7.58 J173.58 ; 4.5,7.58 J173.58 ; 4.5,7.58 J173.58 ; 4.5,7.58 J173.58 ; 4.5,7.58 J173.58 ; 4.5,7.58 J173.58 ; 4.5,7.58 J173.58 ; 4.5,7.58 J173.58 ; 4.5,7.58 J173.58 ; 4.5,7.58 J173.58 ; 4.5,7.58 J173.58 ; 4.5,7.58 J173.58 ; 4.5,7.58 J173.58 ; 4.5,7.58 J173.58 ; 4.5,7.58 J173.58 ; 4.5,7.58 J173.58 ; 4.5,7.58 J173.58 ; 4.5,7.58 J173.58 ; 4.5,7.58 J173.58 ; 4.5,7.58 J173.58 ; 4.5,7.58 J173.58 ; 4.5,7.58 J173.58 ; 4.5,7.58 J173.58 ; 4.5,7.58 J173.58 ; 4.5,7.58 J173.58 ; 4.5,7.58 J173.58 ; 4.5,7.58 J173.58 ; 4.5,7.58 J173.58 ; 4.5,7.58 J173.58 ; 3.72,7.09 3.89,7.26 ; 3.72,7.09 3.89,7.26 ; 3.72,7.09 3.89,7.26 ; 3.72,7.09 1.18,7.09 ; 3.72,7.09 1.18,7.09 ; 3.72,7.09 3.89,7.26 ; 3.72,7.09 3.89,7.26 ; 3.72,7.09 3.89,7.26 ; 3.72,7.09 1.18,7.09 ; 3.72,7.09 3.89,7.26 ; 3.72,7.09 1.18,7.09 ; 3.72,7.09 3.89,7.26 ; 3.72,7.09 1.18,7.09 ; 3.72,7.09 3.89,7.26 ; 3.72,7.09 3.89,7.26 ; 3.72,7.09 3.89,7.26 ; 3.72,7.09 1.18,7.09 ; 3.72,7.09 1.18,7.09 ; 3.72,7.09 3.89,7.26 ; 3.72,7.09 3.89,7.26 ; 3.72,7.09 3.89,7.26 ; 3.72,7.09 1.18,7.09 ; 3.72,7.09 3.89,7.26 ; 3.72,7.09 1.18,7.09 ; 3.72,7.09 3.89,7.26 ; 3.72,7.09 3.89,7.26 ; 3.72,7.09 1.18,7.09 ; 3.72,7.09 1.18,7.09 ; 3.72,7.09 3.89,7.26 ; 3.72,7.09 1.18,7.09 ; 3.72,7.09 1.18,7.09 ; 3.72,7.09 3.89,7.26 ; 3.72,7.09 1.18,7.09 ; 3.72,7.09 3.89,7.26 ; 3.72,7.09 3.89,7.26 ; 3.72,7.09 3.89,7.26 ; 3.72,7.09 1.18,7.09 ; 3.72,7.09 3.89,7.26 ; 3.72,7.09 3.89,7.26 ; 3.72,7.09 1.18,7.09 ; 3.72,7.09 3.89,7.26 ; 3.72,7.09 3.89,7.26 ; 3.72,7.09 1.18,7.09 ; 3.72,7.09 3.89,7.26 ; 3.72,7.09 3.89,7.26 ; 3.72,7.09 3.89,7.26 ; 3.72,7.09 1.18,7.09 ; 3.72,7.09 1.18,7.09 ; 3.72,7.09 1.18,7.09 ; 3.72,7.09 1.18,7.09 ; 3.72,7.09 3.89,7.26 ; 3.72,7.09 1.18,7.09 ; 3.72,7.09 3.89,7.26 ; 3.72,7.09 1.18,7.09 ; 3.72,7.09 3.89,7.26 ; 3.72,7.09 1.18,7.09 ; 3.72,7.09 3.89,7.26 ; 3.72,7.09 1.18,7.09 ; 3.72,7.09 3.89,7.26 ; 3.72,7.09 3.89,7.26 ; 3.72,7.09 1.18,7.09 ; 3.72,7.09 1.18,7.09 ; 3.72,7.09 3.89,7.26 ; 3.72,7.09 3.89,7.26 ; 3.72,7.09 1.18,7.09 ; 3.72,7.09 3.89,7.26 ; 3.72,7.09 1.18,7.09 ; 3.72,7.09 1.18,7.09 ; 3.72,7.09 1.18,7.09 ; 3.72,7.09 3.89,7.26 ; 3.72,7.09 1.18,7.09 ; 3.72,7.09 3.89,7.26 ; 3.72,7.09 1.18,7.09 ; 3.72,7.09 1.18,7.09 ; 3.72,7.09 1.18,7.09 ; 3.72,7.09 1.18,7.09 ; 3.72,7.09 1.18,7.09 ; 3.72,7.09 3.89,7.26 ; 3.72,7.09 1.18,7.09 ; 3.72,7.09 1.18,7.09 ; 3.72,7.09 1.18,7.09 ; 3.72,7.09 3.89,7.26 ; 3.72,7.09 1.18,7.09 ; 3.72,7.09 1.18,7.09 ; 1.18,7.09 v1(0.91,7.36) ; 1.18,7.09 v1(0.91,7.36) ; 1.18,7.09 v1(0.91,7.36) ; 1.18,7.09 v1(0.91,7.36) ; 1.18,7.09 v1(0.91,7.36) ; 1.18,7.09 v1(0.91,7.36) ; 1.18,7.09 v1(0.91,7.36) ; 1.18,7.09 v1(0.91,7.36) ; 1.18,7.09 v1(0.91,7.36) ; 1.18,7.09 v1(0.91,7.36) ; 1.18,7.09 v1(0.91,7.36) ; 1.18,7.09 v1(0.91,7.36) ; 1.18,7.09 v1(0.91,7.36) ; 1.18,7.09 v1(0.91,7.36) ; 1.18,7.09 v1(0.91,7.36) ; 1.18,7.09 v1(0.91,7.36) ; 1.18,7.09 v1(0.91,7.36) ; 1.18,7.09 v1(0.91,7.36) ; 1.18,7.09 v1(0.91,7.36) ; 1.18,7.09 v1(0.91,7.36) ; 1.18,7.09 v1(0.91,7.36) ; 1.18,7.09 v1(0.91,7.36) ; 1.18,7.09 v1(0.91,7.36) ; 1.18,7.09 v1(0.91,7.36) ; 1.18,7.09 v1(0.91,7.36) ; 1.18,7.09 v1(0.91,7.36) ; 1.18,7.09 v1(0.91,7.36) ; 1.18,7.09 v1(0.91,7.36) ; 1.18,7.09 v1(0.91,7.36) ; 1.18,7.09 v1(0.91,7.36) ; 1.18,7.09 v1(0.91,7.36) ; 1.18,7.09 v1(0.91,7.36) ; 1.18,7.09 v1(0.91,7.36) ; 1.18,7.09 v1(0.91,7.36) ; 1.18,7.09 v1(0.91,7.36) ; 1.18,7.09 v1(0.91,7.36) ; 1.18,7.09 v1(0.91,7.36) ; 1.18,7.09 v1(0.91,7.36) ; 1.18,7.09 v1(0.91,7.36) ; 1.18,7.09 v1(0.91,7.36) ; 1.18,7.09 v1(0.91,7.36) ; 1.18,7.09 v1(0.91,7.36)
